# Altium PCB car.PcbDoc (continued)
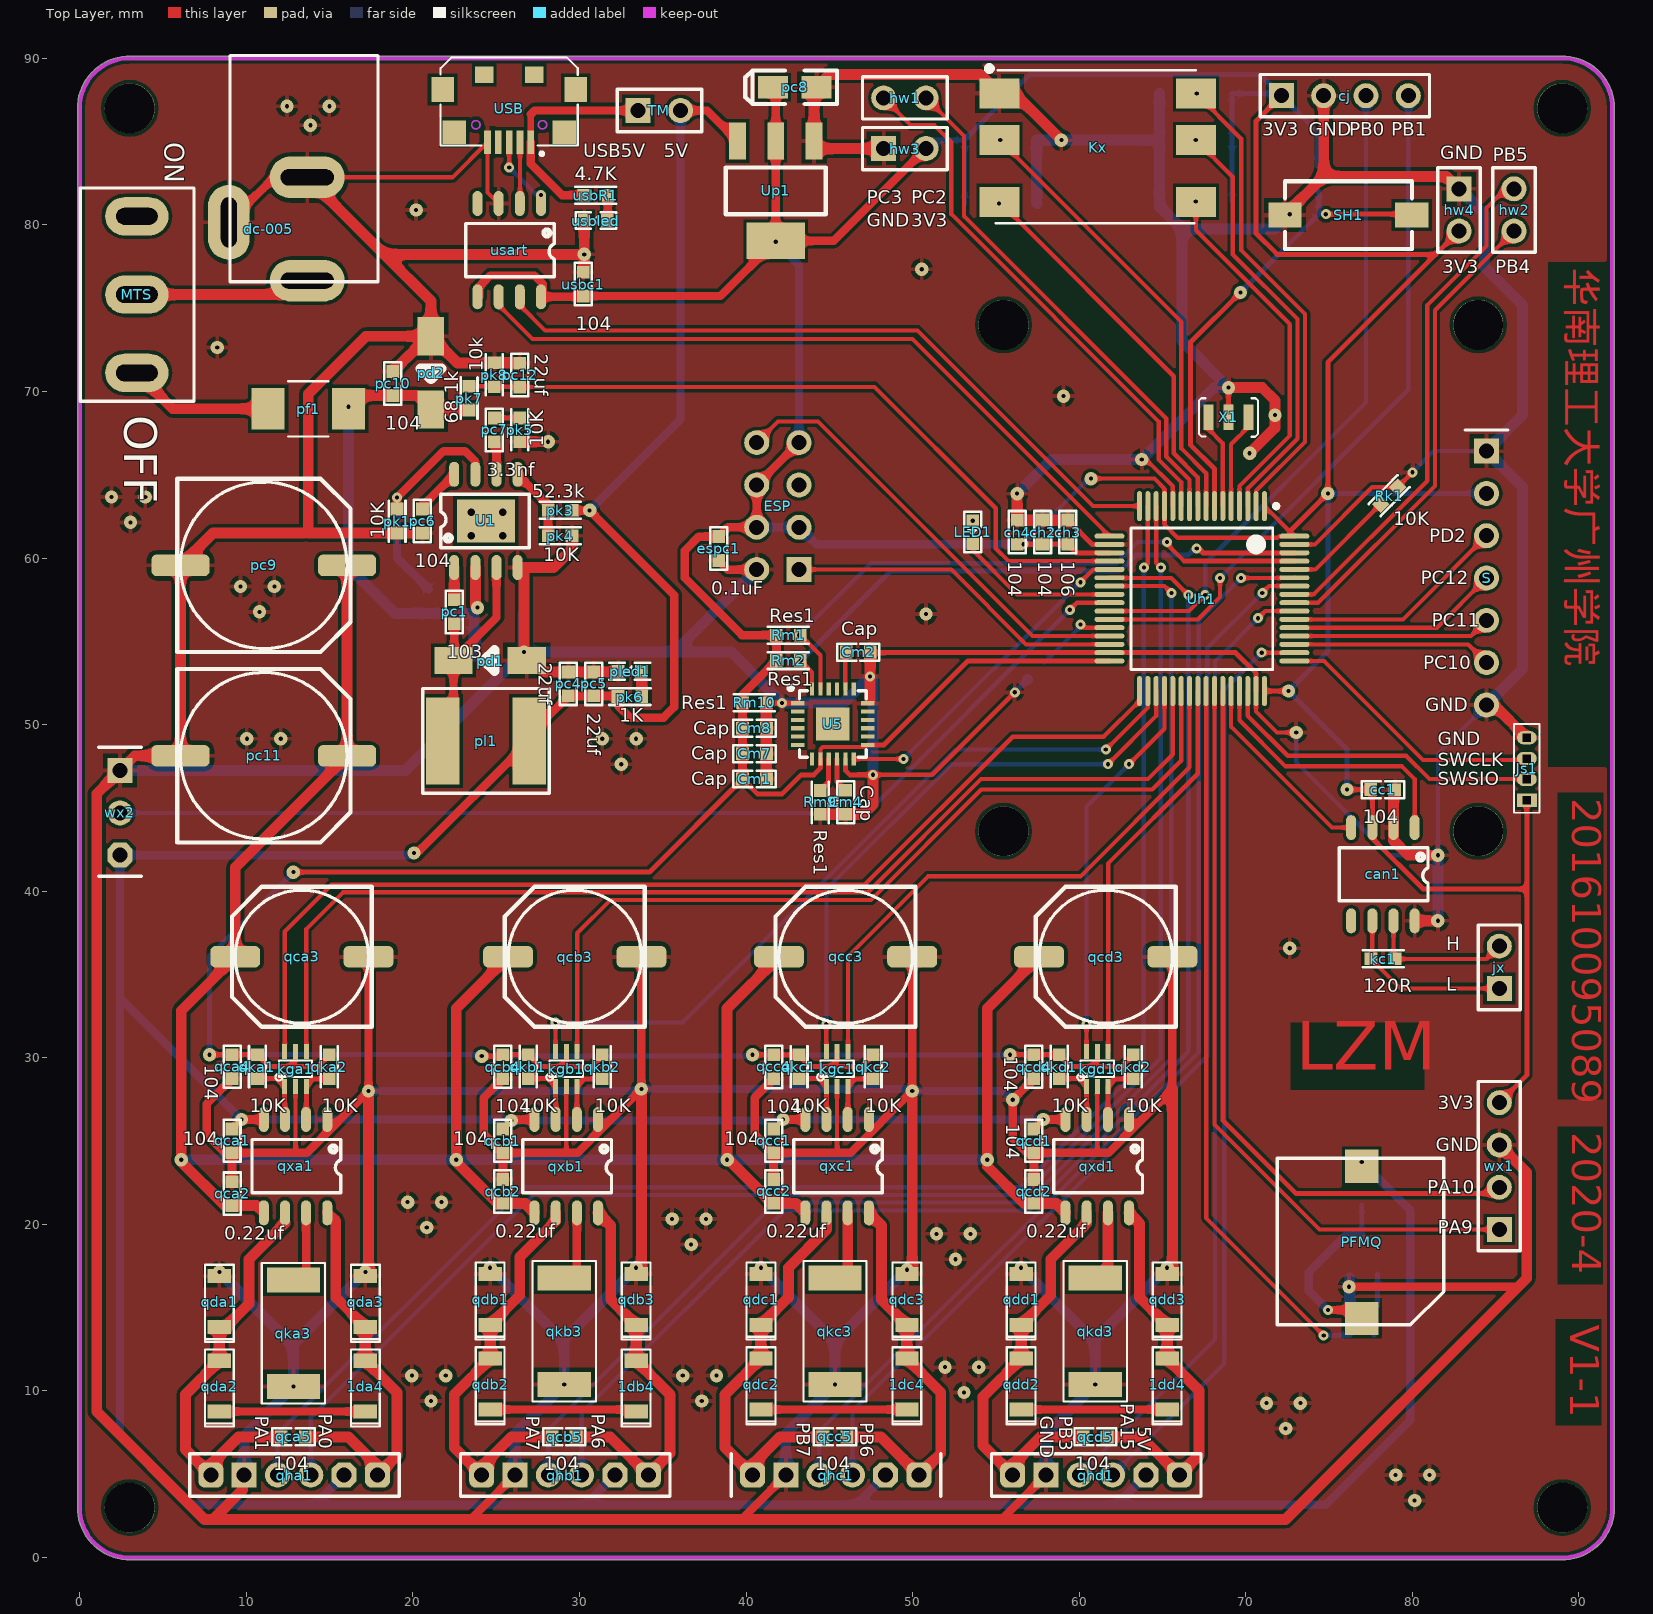
[diagram p0: Top Layer view]
## Nets (pads, with @x,y where several pads share a name; then routed paths per layer and width w, separated by ;. In a path a pad name is that pad's centre, name@x,y a point inside that pad or via, vN(x,y) a via of type N, cw(c..) or ccw(c..) an arc to the next point about the centre after c; other vN are vias at no path point)
3V3: can1.3 cc1.2 ch2.1 ch3.1 ch4.2 cj.1 Cm1.2 Cm7.2 Cm8.2 ESP.3 ESP.4 ESP.6 ESP.7 espc1.1 hw3.1 hw4.1 Js1.1 Key1.2 Key2.2 Key3.2 Key4.2 Key5.2 kga1.5 kgb1.5 kgc1.5 kgd1.5 pc8.1 qca4.2 qcb4.2 qcc4.2 qcd4.2 qka1.2 qka2.1 qkb1.2 qkb2.1 qkc1.2 qkc2.1 qkd1.2 qkd2.1 RH2.2 RL1.2 Rm1.2 Rm2.2 Rm10.2 S.2 U5.8 U5.13 Uh1.1 Uh1.13 Uh1.19 Uh1.32 Uh1.48 Uh1.64 Up1.2 Up1.4 usart.5 usart.8 usbc1.2 wx1.4 | length 430.8
  Top Layer w0.254: U5.8 44.462,48.526 44.6,48.664 47.189,48.664 U5.13 ; v1(60.706,64.77) 64.516,64.77 65.12,64.166 Uh1.13 65.12,62.007 65.913,61.214 71.89,61.214 71.972,61.296 72.943,61.296 Uh1.1
  Top Layer w0.3: v1(7.785,30.188) qca4.2 qka1.2 11.394,29.464 12.573,29.464 ; v1(12.827,41.148) 34.199,41.148 Cm1.2 40.68,45.847 42.164,45.847 43.307,46.99 44.069,46.99 44.462,47.383 U5.8 ; kga1.5 12.954,29.845 12.573,29.464 ; qka2.1 14.275,29.464 12.573,29.464 ; v1(24.13,30.099) 25.313,30.099 qcb4.2 qkb1.2 27.65,29.464 28.829,29.464 ; kgb1.5 29.21,29.845 28.829,29.464 ; qkb2.1 31.369,30.099 30.734,29.464 28.829,29.464 ; v1(40.386,30.18) qcc4.2 qkc1.2 43.898,29.464 45.085,29.464 ; pc8.1 pc8.1@41.783,88.098 ; kgc1.5 45.466,29.845 45.085,29.464 ; U5.13 48.28,48.788 53.311,53.819 Uh1.32 ; qkc2.1 46.914,29.464 45.085,29.464 ; v1(55.842,30.188) qcd4.2 qkd1.2 59.527,29.464 60.706,29.464 ; ch4.2 v2(56.656,60.833) ch3.1@59.309,60.833 ; ch3.1 59.848,60.319 Uh1.19 ; kgd1.5 61.087,29.845 60.706,29.464 ; qkd2.1 62.535,29.464 60.706,29.464 ; Uh1.48 v1(72.568,52.019) ; cj.1 70.612,86.233 70.612,79.502 71.882,78.232 81.407,78.232 ; 72.644,61.595 v1(74.93,63.881) 74.93,71.755 81.407,78.232 ; v1(76.071,46.103) cc1.2 77.597,46.014 can1.3 77.597,43.18 80.645,40.132 86.868,40.132 ; hw4.1 81.407,78.232 ; wx1.4 86.868,28.956 86.868,40.132 ; Js1.1 86.868,40.132
  Top Layer w0.5: usart.5@24.003,75.686 24.003,76.327 24.638,76.962 27.305,76.962 27.813,76.454 27.813,75.686 usbc1.2@30.18,75.686 ; usbc1.2 38.471,75.73 Up1.4 ; Cm1.2 Cm7.2 Cm8.2 Rm10.2 39.789,51.818 Rm2.2 Rm1.2 39.749,55.374 36.322,58.801 36.322,60.452 37.16,61.29 espc1.1 38.913,61.849 ESP.4 ESP.6 ESP.7 ; pc8.1@41.783,88.098 Up1.2 Up1.4 ; hw3.1 45.26,79.042 Up1.4
  Bottom Layer w0.254: v2(56.656,60.833) 60.593,64.77 v1(60.706,64.77)
  Bottom Layer w0.3: v1(12.827,41.148) 7.785,36.106 v1(7.785,30.188) 24.041,30.188 v1(24.13,30.099) 40.305,30.099 v1(40.386,30.18) 55.834,30.18 v1(55.842,30.188) ; hw3.1 51.308,85.09 Key1.2 ; Key2.2 53.124,85.052 Key1.2 ; Key3.2 Key4.2 Key5.2 cj.1@72.007,87.886 ; RH2.2 74.293,85.6 cj.1 cj.1@72.007,87.886 ; v1(76.071,46.103) 76.071,48.516 v1(72.568,52.019) 74.93,54.381 v1(74.93,63.881) S.2 ; Key1.2 57.023,89.027 70.866,89.027 cj.1@72.007,87.886
  Bottom Layer w0.5: ESP.4 ESP.3 44.196,60.833 RL1.2 v2(56.656,60.833) ; v4(41.783,78.994) 43.18,77.597 ESP.7
5V: De1.2 pc4.2 pc5.2 PFMQ.1 pk3.2 pk6.1 pl1.2 qca1.1 qcb1.1 qcc1.1 qcd1.1 qha1.5 qhb1.5 qhc1.5 qhd1.5 qxa1.4 qxb1.4 qxc1.4 qxd1.4 TM.1 Up1.3 wx2.1 | length 292.3
  Top Layer w0.5: qca1.1 v1(9.709,26.295) qxa1.4 ; v1(20.066,42.291) 20.126,42.291 20.189,42.227 pl1.2 26.984,49.376 pc4.2 pc5.2 pk6.1@32.271,51.727 ; v1(25.908,26.238) 25.965,26.295 qxb1.4 ; pk3.2 v1(30.609,62.863) 35.687,57.785 35.687,51.054 35.052,50.419 33.02,50.419 32.309,51.13 pk6.1 ; TM.1 37.657,86.868 Up1.3 ; v1(42.221,26.295) qxc1.4 ; qcd1.1 v1(57.842,26.295) qxd1.4
  Bottom Layer w0.5: 2.444,33.559 v1(9.709,26.295) 25.851,26.295 v1(25.908,26.238) 42.164,26.238 v1(42.221,26.295) v1(57.842,26.295) ; qha1.5 14.096,3.175 ; v1(20.066,42.291) 19.939,42.164 wx2.1 2.413,7.366 6.604,3.175 14.096,3.175 ; v1(30.609,62.863) 36.068,68.323 TM.1 ; qhb1.5 30.352,3.175 ; qhc1.5 46.608,3.175 ; qhd1.5 62.229,3.175 ; v1(76.962,23.749) 79.883,20.828 79.883,8.255 74.803,3.175 62.229,3.175 ; 14.096,3.175 30.352,3.175 ; 30.352,3.175 46.608,3.175 ; 46.608,3.175 62.229,3.175
BAT_IN: dc-005.1 MTS.2 | length 10.6
  Top Layer w0.65: MTS.2 12.816,75.819 dc-005.1
BOOT0: Rk1.2 Uh1.60 | length 6.8
  Top Layer w0.254: Uh1.60 74.176,59.319 Rk1.2
BOOT1: Rk2.2 Uh1.28 | length 5
  Top Layer w0.254: v2(60.071,56.007) 60.259,55.819 Uh1.28
  Bottom Layer w0.254: Rk2.2 60.071,55.882 v2(60.071,56.007)
GND: can1.2 can1.8 cc1.1 ch1.1 ch2.2 ch3.2 ch4.1 cj.2 Cm1.1 Cm2.1 Cm4.1 Cm7.1 Cm8.1 dc-005.2 dc-005.3 ESP.2 espc1.2 hw3.2 hw4.2 Js1.4 keyC1.1 keyC2.1 keyC3.1 keyC4.1 keyC5.1 kga1.2 kgb1.2 kgc1.2 kgd1.2 Kx.1 MOS1.2 pc2.1 pc3.1 pc4.1 pc5.1 pc6.2 pc8.2 pc9.2 pc10.1 pc11.2 pc12.1 pd1.1 pd2.1 pk1.2 pk4.2 pk5.1 pk8.2 pled1.2 qca1.2 qca2.2 qca3.2 qca4.1 qcb1.2 qcb2.2 qcb3.2 qcb4.1 qcc1.2 qcc2.2 qcc3.2 qcc4.1 qcd1.2 qcd2.2 qcd3.2 qcd4.1 qda1.1 qda3.1 qdb1.1 qdb3.1 qdc1.1 qdc3.1 qdd1.1 qdd3.1 qha1.2 qhb1.2 qhc1.2 qhd1.2 qka3.2 qkb3.2 qkc3.2 qkd3.2 qxa1.1 qxb1.1 qxc1.1 qxd1.1 Rk1.1 Rk2.1 Rm9.2 Rm10.1 Rmos2.2 S.1 S.7 SH1.1 U1.4 U5.1 U5.11 U5.18 Uh1.12 Uh1.18 Uh1.31 Uh1.47 Uh1.63 Up1.1 usart.3 USB.5 usbc1.1 usbled.2 wx1.3 wx2.3 X1.2 | length 906.4
  Top Layer w0.254: 12.954,24.295 kga1.2 ; dc-005.3 22.374,82.856 USB.5 24.481,81.951 usart.3 ; 29.21,24.295 kgb1.2 ; 45.466,24.295 kgc1.2 ; v2(47.625,46.99) 51.181,46.99 v2(56.134,51.943) ; 61.087,24.295 kgd1.2 ; v1(63.754,65.913) 64.015,65.913 65.62,64.308 Uh1.12 ; X1.2 v1(68.961,70.231) ; Uh1.47 70.62,50.792 71.882,49.53 v1(73.025,49.53) ; Uh1.63 74.154,60.819 77.592,64.257 Rk1.1 v2(80.01,65.151)
  Top Layer w0.3: Rm10.1@41.224,51.288 U5.1 ; U5.11 45.962,47.256 46.228,46.99 v2(47.625,46.99) ; Cm2.1@47.447,54.319 Uh1.31 69.379,54.319 70.62,53.078 Uh1.47 ; qcd2.2@57.275,22.698 qcd2.2 ; ch3.2 60.785,60.819 Uh1.18
  Top Layer w0.5: dc-005.2 11.653,82.856 dc-005.3 ; qca2.2@9.142,22.571 qca1.2 ; qca4.1 7.62,27.229 7.62,25.4 8.725,24.295 qca1.2 ; qca3.2 v1(17.335,28.003) 13.627,24.295 qca1.2 ; 23.463,2.286 qhb1.2 ; qcb2.2@25.398,22.698 qcb1.2 ; qcb4.1 24.257,27.61 24.257,25.436 qcb1.2 ; qcb3.2 v1(33.718,28.13) 29.883,24.295 qcb1.2 ; espc1.2 38.898,59.309 ESP.2 ; 39.719,2.286 qhc1.2 ; qcc2.2@41.654,22.698 qcc1.2 ; qcc4.1 40.513,27.602 40.513,25.436 qcc1.2 ; qcc3.2 v1(49.974,28.003) 46.266,24.295 qcc1.2 ; 55.34,2.286 qhd1.2 ; qcd2.2@57.275,22.698 qcd1.2 ; qcd4.1 v1(56.007,27.483) 56.007,25.146 56.858,24.295 qcd1.2 ; qcd3.2 65.595,28.13 61.76,24.295 qcd1.2 ; v1(76.2,16.256) 86.36,16.256
  Top Layer w0.65: qha1.2 9.779,4.858 9.779,4.064 8.001,2.286 ; 13.462,61.506 7.992,61.506 pc9.2 pc11.2 3.302,48.133 wx2.3 1.016,45.847 1.016,8.763 7.493,2.286 8.001,2.286 ; dc-005.3 18.277,78.232 ; v1(17.145,17.145) qda3.1 17.335,17.082 v1(17.335,28.003) ; pc10.1 pd2.1@20.92,73.32 ; pc6.2 pk1.2 13.716,61.506 13.716,69.85 17.186,73.32 pd2.1@20.92,73.32 ; pc12.1@26.403,71.717 pk8.2 22.685,71.717 pd2.1 ; pk5.1 v1(28.118,66.98) ; pk4.2 29.553,60.541 28.442,59.43 U1.4 26.67,59.049 v1(26.67,54.356) 27.864,53.162 pc4.1 pc5.1 32.269,53.162 pled1.2 ; usbc1.1 30.29,77.229 v1(30.29,78.232) ; usbled.2 v1(30.29,78.232) ; v1(33.401,17.399) qdb3.1 33.718,17.336 v1(33.718,28.13) ; Cm1.1 Cm7.1 Cm8.1 41.224,51.288 Rm10.1 ; Rm9.2 45.961,44.615 Cm4.1 47.041,44.628 47.625,45.212 v2(47.625,46.99) ; 47.447,51.438 v2(47.447,52.897) Cm2.1 ; hw3.2 44.543,84.582 Up1.1 44.083,88.112 pc8.2 44.998,89.027 54.069,89.027 Kx.1 56.128,87.89 v1(58.928,85.09) ; v1(49.657,17.272) qdc3.1 49.974,17.336 v1(49.974,28.003) ; v1(56.274,63.868) ch4.1 57.787,62.268 ch2.2 ch3.2 ; v1(65.278,17.399) qdd3.1 65.595,17.336 65.595,28.13 ; v1(68.961,70.231) 70.993,70.231 71.755,69.469 v1(71.755,68.58) 71.755,67.818 v1(70.231,66.294) ; SH1.1 74.676,82.914 ; cj.2 74.676,82.914 ; cc1.1 78.867,46.025 can1.2 78.867,43.053 79.756,42.164 v1(81.534,42.164) ; can1.8 81.528,38.221 v1(81.534,38.227) ; hw4.2 82.059,82.914 74.676,82.914 ; S.7 84.903,51.181 Js1.4 ; wx1.3 86.868,23.114 86.868,16.764 86.36,16.256 72.39,2.286 55.34,2.286 39.719,2.286 23.463,2.286 8.001,2.286 ; 18.277,78.232 v1(30.29,78.232) ; 18.277,78.232 21.082,75.427 pd2.1 ; pd2.1@20.92,73.32 pd2.1
  Bottom Layer w0.254: v2(56.134,51.943) Rk2.1 ; v1(73.025,49.53) 73.025,47.752 78.613,42.164 v1(81.534,42.164) 81.534,48.26 S.7 ; v2(80.01,65.151) 81.28,66.421 S.1
  Bottom Layer w0.5: v1(17.335,28.003) 33.591,28.003 v1(33.718,28.13) 49.847,28.13 v1(49.974,28.003) 55.487,28.003 v1(56.007,27.483)
  Bottom Layer w0.65: wx2.3 19.558,47.244 pc2.1@26.607,54.293 ; v1(8.382,17.145) 12.827,12.7 ; qha1.2 9.874,7.309 v1(12.827,10.262) 12.827,12.7 ; v1(17.145,17.145) 12.827,12.827 12.827,12.7 ; v1(24.638,17.399) 29.083,12.954 ; qhb1.2 26.13,7.436 v1(29.083,10.389) 29.083,12.954 ; pc3.1 pc2.1@26.607,54.293 ; v1(33.401,17.399) 29.083,13.081 29.083,12.954 ; ESP.2 35.687,54.356 ; v1(40.894,17.399) 45.339,12.954 ; qhc1.2 42.386,7.436 v1(45.339,10.389) 45.339,12.954 ; v2(47.625,46.99) 47.625,52.719 v2(47.447,52.897) 45.858,51.308 v2(42.164,51.308) 39.116,54.356 35.687,54.356 ; v1(49.657,17.272) 45.339,12.954 ; v1(56.274,63.868) 58.318,65.913 v1(63.754,65.913) 68.072,70.231 v1(68.961,70.231) 66.167,73.025 66.167,79.756 ; v1(56.515,17.399) 60.96,12.954 ; keyC2.1 57.442,81.318 keyC1.1 64.819,85.092 keyC4.1 ; qhd1.2 58.007,7.436 v1(60.96,10.389) 60.96,12.954 ; keyC5.1 keyC4.1 ; v1(65.278,17.399) 60.96,13.081 60.96,12.954 ; v2(72.644,80.645) 71.755,79.756 66.167,79.756 ; Rmos2.2 MOS1.2@76.238,16.787 ; v1(81.534,38.227) v1(81.534,42.164) ; hw4.2 84.328,80.645 84.328,77.47 86.614,75.184 86.614,68.58 S.1 86.614,64.262 86.614,53.34 S.7 ; pc2.1@26.607,54.293 v1(26.67,54.356) 35.687,54.356 ; keyC4.1 keyC3.1 64.821,81.102 66.167,79.756
  other v1: 80.137,3.429 78.994,4.953 81.026,4.953 72.39,7.747 71.247,9.271 73.279,9.271 21.082,9.398 37.338,9.398 53.086,9.906 19.939,10.922 21.971,10.922 36.195,10.922 38.227,10.922 51.943,11.43 53.975,11.43 52.578,17.907 36.703,18.796 51.435,19.431 53.467,19.431 20.828,19.812 35.56,20.32 37.592,20.32 19.685,21.336 21.717,21.336 72.644,36.576 32.512,47.625 10.033,49.149 12.065,49.149 31.369,49.149 33.401,49.149 50.8,56.642 10.795,56.769 9.652,58.293 11.684,58.293 3.048,62.142 1.905,63.666 3.937,63.666 59.055,69.723 8.255,72.644 50.546,77.343 20.193,80.899 13.843,85.979 12.446,87.122 14.986,87.122
KEY1: Key1.1 keyC1.2 Kx.2 Uh1.8 | length 28.6
  Top Layer w0.254: Kx.2 66.132,74.164 66.132,66.583 67.62,65.095 Uh1.8
  Bottom Layer w0.3: Key1.1 54.523,85.09 v2(55.265,85.09) keyC1.2
KEY2: Key2.1 keyC2.2 Kx.3 Uh1.9 | length 24.7
  Top Layer w0.254: Kx.3 65.678,70.918 65.678,66.289 67.12,64.847 Uh1.9
  Bottom Layer w0.3: Key2.1 54.561,81.278 keyC2.2
  other v2: 55.187,81.282
KEY3: Key3.1 keyC3.2 Kx.6 Uh1.4 | length 23.3
  Top Layer w0.254: Kx.6 67.006,79.679 72.644,74.041 72.644,67.352 69.62,64.328 Uh1.4
  Bottom Layer w0.3: keyC3.2 v2(66.998,81.409) 67.74,81.409 Key3.1
KEY4: Key4.1 keyC4.2 Kx.5 Uh1.3 | length 27.2
  Top Layer w0.254: Kx.5 69.215,82.881 69.215,78.232 73.098,74.349 73.098,67.164 70.12,64.186 Uh1.3
  Bottom Layer w0.3: keyC4.2 v2(66.998,85.092) Key4.1@67.74,85.092
KEY5: Key5.1 keyC5.2 Kx.4 Uh1.2 | length 30.2
  Top Layer w0.254: Kx.4 69.723,85.173 69.723,78.486 73.552,74.657 73.552,66.976 70.62,64.044 Uh1.2
  Bottom Layer w0.3: keyC5.2 v2(67.056,87.886) 67.74,87.886 Key5.1
M1-OUT1: qca5.2 qda1.2 qda2.1 qha1.1 qxa1.6 | length 24.4
  Top Layer w0.254: qxa1.6@12.319,20.066 qxa1.6
  Top Layer w0.65: qca5.2 9.527,7.241 7.874,5.588 qha1.1 6.35,6.477 6.35,9.78 qda2.1 8.382,13.462 10.16,15.24 10.16,17.907 qxa1.6@12.319,20.066
M1-OUT2: 1da4.1 qca5.1 qda3.2 qha1.6 qxa1.8 | length 23.6
  Top Layer w0.65: qca5.1 16.129,7.239 17.874,5.494 qha1.6 19.05,6.129 19.05,9.907 1da4.1 qda3.2 15.367,15.62 15.367,20.187 qxa1.8
M2-OUT1: qcb5.2 qdb1.2 qdb2.1 qhb1.1 qxb1.6 | length 24.4
  Top Layer w0.65: qcb5.2 25.91,7.241 24.13,5.461 qhb1.1 22.479,6.604 22.479,9.78 qdb2.1 qdb1.2 26.416,15.747 26.416,18.034 28.575,20.193 qxb1.6
M2-OUT2: 1db4.1 qcb5.1 qdb3.2 qhb1.6 qxb1.8 | length 23.4
  Top Layer w0.65: qcb5.1 31.844,7.239 qhb1.6 35.433,6.256 35.433,9.78 1db4.1 qdb3.2 31.877,15.493 31.877,19.933 qxb1.8
M3-OUT1: qcc5.2 qdc1.2 qdc2.1 qhc1.1 qxc1.6 | length 24.5
  Top Layer w0.65: qcc5.2 42.039,7.241 40.386,5.588 qhc1.1 38.735,6.604 38.735,9.78 qdc2.1 qdc1.2 42.545,15.62 42.545,17.399 44.831,19.685 qxc1.6
M3-OUT2: 1dc4.1 qcc5.1 qdc3.2 qhc1.6 qxc1.8 | length 23.4
  Top Layer w0.65: qcc5.1 48.1,7.239 qhc1.6 51.689,6.256 51.689,9.907 1dc4.1 qdc3.2 48.133,15.493 48.133,19.933 qxc1.8
M4-OUT1: qcd5.2 qdd1.2 qdd2.1 qhd1.1 qxd1.6 | length 24.6
  Top Layer w0.65: qcd5.2 57.66,7.241 56.007,5.588 qhd1.1 54.229,6.731 54.229,9.653 qdd2.1 qdd1.2 58.293,15.747 58.293,17.907 60.452,20.066 qxd1.6
M4-OUT2: 1dd4.1 qcd5.1 qdd3.2 qhd1.6 qxd1.8 | length 23.2
  Top Layer w0.65: qcd5.1 63.721,7.239 qhd1.6 67.183,6.129 67.183,10.034 1dd4.1 qdd3.2 63.627,15.62 63.627,20.06 qxd1.8
Net1da4_2: 1da4.2 qda2.2 | length 8.8
  Top Layer w0.5: qda2.2 1da4.2
Net1db4_2: 1db4.2 qdb2.2 | length 8.8
  Top Layer w0.254: 1db4.2@33.274,8.889 1db4.2
  Top Layer w0.5: qdb2.2 1db4.2@33.274,8.889
Net1dc4_2: 1dc4.2 qdc2.2 | length 8.8
  Top Layer w0.5: qdc2.2 1dc4.2
Net1dd4_2: 1dd4.2 qdd2.2 | length 8.8
  Top Layer w0.5: qdd2.2 1dd4.2
Netcan1_6: can1.6 jx.2 kc1.1 | length 10.7
  Top Layer w0.254: can1.6 77.597,36.017 kc1.1 79.299,34.163 jx.2
Netcan1_7: can1.7 jx.1 kc1.2 | length 8.9
  Top Layer w0.254: can1.7 78.867,36.028 kc1.2 84.453,35.939 jx.1
NetCm2_2: Cm2.2 U5.20 | length 2.2
  Top Layer w0.254: U5.20 45.962,54.308 Cm2.2
NetCm4_2: Cm4.2 U5.10 | length 2.1
  Top Layer w0.3: U5.10 45.462,46.577 Cm4.2
NetDe1_1: De1.1 MOS1.3 PFMQ.2 | length 10.9
  Top Layer w0.5: v2(74.93,14.859) PFMQ.2@76.454,14.859
  Top Layer w0.65: PFMQ.2@76.454,14.859 PFMQ.2
  Bottom Layer w0.254: MOS1.3 De1.1
  Bottom Layer w0.5: v2(74.93,14.859) 73.787,16.002 73.787,17.145 75.951,19.309 MOS1.3
Netkga1_1: kga1.1 qka1.1 qxa1.3 | length 3.8
  Top Layer w0.3: qka1.1 11.838,28.753 kga1.1@12.254,28.337 ; kga1.1 12.304,26.31 qxa1.3
Netkga1_3: kga1.3 qka2.2 qxa1.2 | length 3.6
  Top Layer w0.3: qxa1.2 13.604,26.31 kga1.3 14.057,28.74 qka2.2
Netkgb1_1: kgb1.1 qkb1.1 qxb1.3 | length 3.8
  Top Layer w0.3: qkb1.1 28.094,28.753 kgb1.1 28.575,28.272 qxb1.3
Netkgb1_3: kgb1.3 qkb2.2 qxb1.2 | length 3.7
  Top Layer w0.3: qxb1.2 29.845,28.272 kgb1.3 30.313,28.74 qkb2.2
Netkgc1_1: kgc1.1 qkc1.1 qxc1.3 | length 3.8
  Top Layer w0.3: qkc1.1 44.358,28.745 kgc1.1 44.816,26.31 qxc1.3
Netkgc1_3: kgc1.3 qkc2.2 qxc1.2 | length 3.7
  Top Layer w0.3: qxc1.2@46.116,26.31 kgc1.3 46.569,28.74 qkc2.2
Netkgd1_1: kgd1.1 qkd1.1 qxd1.3 | length 3.8
  Top Layer w0.3: qkd1.1 59.971,28.753 kgd1.1 qxd1.3@60.437,26.31
Netkgd1_3: kgd1.3 qkd2.2 qxd1.2 | length 3.7
  Top Layer w0.3: qxd1.2 61.722,28.272 kgd1.3 62.19,28.74 qkd2.2
NetLED1_1: LED1.1 RL1.1
  other v2: 53.61,62.243
NetMOS1_1: MOS1.1 Rmos1.2 Rmos2.1 | length 3.8
  Bottom Layer w0.3: Rmos1.2 77.686,14.846 Rmos2.1 77.912,15.098 MOS1.1
Netpc1_1: pc1.1 pd1.2 pl1.1 U1.3 | length 13.9
  Top Layer w0.5: pl1.1 22.438,49.676 pd1.2 ; pc1.1 22.479,53.889 25.019,56.429 U1.3
Netpc1_2: pc1.2 U1.1 | length 1.9
  Top Layer w0.65: pc1.2 U1.1@22.481,59.428
Netpc6_1: pc6.1 U1.8 | length 2.9
  Top Layer w0.5: pc6.1 20.574,63.125 U1.8
Netpc7_1: pc7.1 U1.6 | length 2
  Top Layer w0.5: pc7.1 25.019,66.853 U1.6
Netpc7_2: pc7.2 pk5.2 | length 1.5
  Top Layer w0.3: pc7.2 pk5.2
Netpk1_1: pk1.1 pk2.1 U1.7 | length 13.9
  Top Layer w0.5: pk1.1 v2(19.05,63.627) 21.844,66.421 23.114,66.421 23.749,65.786 U1.7
  Bottom Layer w0.5: v2(19.05,63.627) 19.05,60.02 pk2.1
Netpk3_1: pk3.1 pk4.1 U1.5 | length 4.4
  Top Layer w0.5: U1.5 28.118,63.201 pk3.1 pk4.1
Netpk6_2: pk6.2 pled1.1 | length 1.5
  Top Layer w0.65: pk6.2 pled1.1@33.744,53.175
Netqka3_1: qka3.1 qxa1.7 | length 4.3
  Top Layer w0.254: qka3.1 13.589,17.424
  Top Layer w0.5: 13.589,17.424 qxa1.7
Netqkb3_1: qkb3.1 qxb1.7 | length 3.1
  Top Layer w0.5: 29.845,17.551 qxb1.7
Netqkc3_1: qkc3.1 qxc1.7 | length 3.1
  Top Layer w0.65: 46.101,17.551 qxc1.7
Netqkd3_1: qkd3.1 qxd1.7 | length 4.2
  Top Layer w0.65: qkd3.1 61.722,17.551 qxd1.7
NetRm9_1: Rm9.1 U5.9 | length 2.1
  Top Layer w0.3: Rm9.1 44.962,46.562 U5.9
NetUh1_5: Uh1.5 X1.1 | length 5.8
  Top Layer w0.254: Uh1.5 69.12,66.834 70.161,67.875 X1.1
NetUh1_6: Uh1.6 X1.3 | length 5.7
  Top Layer w0.254: X1.3 67.761,67.748 68.62,66.889 Uh1.6
Netusart_1: usart.1 USB.3 | length 4.1
  Top Layer w0.254: v2(25.781,83.439) USB.3
  Bottom Layer w0.254: v2(25.781,83.439) 27.432,81.788 v2(27.686,81.788)
Netusart_2: usart.2 USB.2 | length 3.7
  Top Layer w0.254: usart.2 26.431,81.301 USB.2
Netusbled_1: usbled.1 usbR1.1 | length 1.5
  Top Layer w0.5: usbled.1@31.699,80.289 usbR1.1
NRST: ch1.2 RH2.1 SH1.2 Uh1.7 | length 28.1
  Top Layer w0.3: Uh1.7 68.12,65.357 66.675,66.802 66.675,72.938 v1@69.723,75.986 ; v2(74.803,80.645) 79.917,80.645 SH1.2
  Bottom Layer w0.3: v1(69.683,75.946) ch1.2 74.384,82.004 RH2.1
PA0: qha1.4 Uh1.14 | length 96.9
  Top Layer w0.254: Uh1.14 64.62,59.713 v2(64.897,59.436)
  Bottom Layer w0.254: qha1.4@13.874,5.238 qha1.4 13.874,8.413 27.232,21.771 56.675,21.771 64.897,29.993 v2(64.897,59.436)
PA1: qha1.3 Uh1.15 | length 97.3
  Top Layer w0.254: v2(63.881,59.436) 64.12,59.675 Uh1.15
  Bottom Layer w0.254: qha1.3 11.874,7.429 26.67,22.225 56.487,22.225 63.881,29.619 v2(63.881,59.436)
PA2: Uh1.16 usart.7 | length 42.7
  Top Layer w0.254: usart.7 26.416,75.184 27.94,73.66 50.292,73.66 60.833,63.119 Uh1.16
PA3: Uh1.17 usart.6 | length 42.9
  Top Layer w0.254: usart.6 25.146,75.184 27.178,73.152 49.987,73.152 Uh1.17
PA4: pc12.2 pk7.2 pk8.1 Uh1.20 | length 44.1
  Top Layer w0.254: pk7.2 pk8.1@24.854,70.32 ; pk8.1 pc12.2@26.402,70.282 ; pc12.2 47.714,70.269 54.991,62.992 54.991,60.579 55.751,59.819 Uh1.20
PA5: U5.12 Uh1.21 | length 20.1
  Top Layer w0.254: U5.12 v2(49.461,47.937) ; v2(60.071,58.547) 60.843,59.319 Uh1.21
  Bottom Layer w0.254: v2(49.461,47.937) v2(60.071,58.547)
PA6: qhb1.4 Uh1.22 | length 81.7
  Top Layer w0.254: Uh1.22 62.466,58.819 62.476,58.809 65.524,58.809 v2(66.548,57.785)
  Bottom Layer w0.254: qhb1.4 30.13,8.667 42.291,20.828 57.016,20.828 66.548,30.36 v2(66.548,57.785)
PA7: qhb1.3 Uh1.23 | length 81.2
  Top Layer w0.254: Uh1.23 65.125,58.319 v2(65.532,57.912)
  Bottom Layer w0.254: qhb1.3 28.13,7.683 41.764,21.317 56.863,21.317 65.532,29.986 v2(65.532,57.912)
PA8: Rmos1.1 Uh1.41 | length 43.2
  Top Layer w0.254: Uh1.41 67.62,20.391 v2(74.676,13.335)
  Bottom Layer w0.3: v2(74.676,13.335) Rmos1.1
PA9: Uh1.42 wx1.1 | length 45.7
  Top Layer w0.254: Uh1.42 68.12,25.987 74.422,19.685 wx1.1
PA10: Uh1.43 wx1.2 | length 44.3
  Top Layer w0.3: Uh1.43 68.62,26.249 73.025,21.844 84.836,21.844 wx1.2
PA11: can1.4 Uh1.44 | length 11.9
  Top Layer w0.254: Uh1.44 69.12,49.879 75.178,43.821 can1.4
PA12: can1.1 Uh1.45 | length 16.6
  Top Layer w0.254: Uh1.45 69.62,50.268 72.39,47.498 79.375,47.498 80.137,46.736 can1.1
PA13: Js1.2 Uh1.46 | length 19.8
  Top Layer w0.254: Uh1.46 70.12,50.53 72.517,48.133 79.629,48.133 81.026,46.736 86.848,46.736 Js1.2
PA14: Js1.3 Uh1.49 | length 16.4
  Top Layer w0.254: Uh1.49 74.705,53.819 80.645,47.879 86.781,47.879 Js1.3
PA15: qhd1.4 Uh1.50 | length 55
  Top Layer w0.254: v2(70.956,54.319) Uh1.50
  Bottom Layer w0.254: qhd1.4 68.707,11.653 68.707,52.07 v2(70.956,54.319)
PB0: cj.3 Uh1.26 | length 40.1
  Top Layer w0.254: Uh1.26 66.598,56.819 v2(67.564,57.785)
  Bottom Layer w0.254: v2(67.564,57.785) 67.564,59.69 77.216,69.342 cj.3
PB1: cj.4 Uh1.27 | length 42
  Top Layer w0.254: Uh1.27 67.114,56.319 68.453,57.658 v2(68.453,58.801)
  Bottom Layer w0.254: v2(68.453,58.801) 79.756,70.104 cj.4
PB3: qhd1.3 Uh1.55 | length 58.2
  Top Layer w0.254: v2(70.739,56.388) 71.17,56.819 Uh1.55
  Bottom Layer w0.254: qhd1.3 68.145,13.091 68.145,53.794 v2(70.739,56.388)
PB4: hw2.1 Uh1.56 | length 28.6
  Top Layer w0.254: Uh1.56 74.337,57.319 81.353,64.335 81.353,74.876 hw2.1
PB5: hw2.2 Uh1.57 | length 30.8
  Top Layer w0.254: Uh1.57 74.075,57.819 80.899,64.643 80.899,75.184 84.455,78.74 84.455,81.026 85.598,82.169 hw2.2
PB6: qhc1.4 Uh1.58 | length 65.2
  Top Layer w0.254: v2(70.993,57.912) 71.4,58.319 Uh1.58
  Bottom Layer w0.254: qhc1.4 46.386,8.794 67.691,30.099 67.691,54.61 v2(70.993,57.912)
PB7: qhc1.3 Uh1.59 | length 67.5
  Top Layer w0.254: v2(69.723,58.801) 72.902,58.801 Uh1.59
  Bottom Layer w0.254: qhc1.3 44.386,7.556 67.183,30.353 67.183,56.261 v2(69.723,58.801)
PB8: Rm1.1 U5.23 Uh1.61 | length 36.3
  Top Layer w0.254: Rm1.1 44.462,54.166 U5.23 ; v2(65.278,60.96) 65.278,60.833 66.292,59.819
  Top Layer w0.3: 66.292,59.819 Uh1.61
  Bottom Layer w0.254: v2(43.18,55.372) 47.498,59.69 62.23,59.69 63.5,60.96 v2(65.278,60.96)
PB9: Rm2.1 U5.24 Uh1.62 | length 34.5
  Top Layer w0.254: Rm2.1 43.962,53.142 U5.24
  Top Layer w0.3: v2(67.056,60.579) 67.183,60.579 67.443,60.319 Uh1.62
  Bottom Layer w0.3: v2(43.307,53.848) 48.672,59.213 62.428,59.213 63.413,60.198 66.548,60.198 66.929,60.579 v2(67.056,60.579)
PB10: ESP.8 Uh1.29 | length 27
  Top Layer w0.254: ESP.8 41.91,68.199 44.323,68.199 57.203,55.319 Uh1.29
PB11: ESP.1 Uh1.30 | length 20.5
  Top Layer w0.254: ESP.1 52.324,59.309 56.814,54.819 Uh1.30
PB12: kga1.6 Uh1.33 | length 64.9
  Top Layer w0.254: kga1.6@12.319,30.402 kga1.6 12.304,37.577 15.113,40.386 47.117,40.386 56.007,49.276 61.468,49.276 63.62,51.428 Uh1.33
PB13: kgb1.6 Uh1.34 | length 46.1
  Top Layer w0.254: kgb1.6 v2(28.56,32.116) ; v2(61.595,48.514) 61.602,48.514 64.12,51.032 Uh1.34
  Bottom Layer w0.254: v2(28.56,32.116) 36.18,32.116 52.578,48.514 v2(61.595,48.514)
PB14: kgc1.6 Uh1.35 | length 35.3
  Top Layer w0.254: kgc1.6 v2(44.816,32.019) ; v2(61.722,47.625) 64.62,50.523 Uh1.35
  Bottom Layer w0.254: v2@44.831,32.034 44.831,40.125 52.331,47.625 v2(61.722,47.625)
PB15: kgd1.6 Uh1.36 | length 23.6
  Top Layer w0.254: kgd1.6 v2(60.437,32.019) ; v2(62.992,47.625) 65.12,49.753 Uh1.36
  Bottom Layer w0.254: v2(60.437,32.019) 60.437,45.07 v2(62.992,47.625)
PC2: hw1.1 Uh1.10 | length 31.1
  Top Layer w0.254: hw1.1 53.086,85.344 53.086,80.525 65.224,68.387 65.224,66.101 66.62,64.705 Uh1.10
PC3: hw1.2 Uh1.11 | length 32.7
  Top Layer w0.254: hw1.2 49.911,85.979 51.308,85.979 52.324,84.963 52.324,80.645 64.77,68.199 64.77,65.913 66.12,64.563 Uh1.11
PC4: LED1.2 Uh1.24 | length 9.7
  Top Layer w0.254: LED1.2 53.608,60.477 56.267,57.819 Uh1.24
PC5: Uh1.25 wx2.2 | length 64.6
  Top Layer w0.254: v2(59.436,56.896) 59.859,57.319 Uh1.25
  Bottom Layer w0.254: wx2.2 47.244,44.704 v2(59.436,56.896)
PC6: kga1.4 Uh1.37 | length 67.5
  Top Layer w0.254: kga1.4 13.604,37.734 15.802,39.932 47.305,39.932 54.109,46.736 64.135,46.736 65.62,48.221 Uh1.37
PC7: kgb1.4 Uh1.38 | length 51.8
  Top Layer w0.254: kgb1.4 29.86,37.48 31.858,39.478 47.493,39.478 54.116,46.101 64.389,46.101 66.12,47.832 Uh1.38
PC8: kgc1.4 Uh1.39 | length 35.5
  Top Layer w0.254: kgc1.4 46.116,36.083 50.927,40.894 60.071,40.894 66.62,47.443 Uh1.39
PC9: kgd1.4 Uh1.40 | length 23.9
  Top Layer w0.254: kgd1.4 61.737,41.671 67.12,47.054 Uh1.40
PC10: S.6 Uh1.51 | length 12
  Top Layer w0.254: Uh1.51 83.357,54.819 S.6
PC11: S.5 Uh1.52 | length 11.9
  Top Layer w0.254: Uh1.52 83.513,55.319 S.5
PC12: S.4 Uh1.53 | length 12.8
  Top Layer w0.254: Uh1.53 81.473,55.819 S.4
PD2: S.3 Uh1.54 | length 13.6
  Top Layer w0.254: Uh1.54 79.433,56.319 S.3
USB5V: TM.2 USB.1 usbR1.2 | length 13.5
  Top Layer w0.4: USB.1 27.081,86.644
  Top Layer w0.5: USB.1 27.081,83.663 28.954,81.79 usbR1.2 ; 27.081,86.644 27.305,86.868 TM.2
VCC: pc2.2 pc3.2 pc9.1 pc10.2 pc11.1 pd2.2 pf1.2 pk2.2 pk7.1 qca2.1 qca3.1 qcb2.1 qcb3.1 qcc2.1 qcc3.1 qcd2.1 qcd3.1 qxa1.5 qxb1.5 qxc1.5 qxd1.5 U1.2 | length 184.5
  Top Layer w0.65: qxa1.5 10.611,21.133 qca2.1 8.712,21.133 6.096,23.749 v1(6.096,23.876) 6.096,32.829 qca3.1 9.335,41.419 pc11.1 v1(16.049,59.563) ; pf1.2 16.929,69.761 pc10.2 20.241,69.761 pd2.2 23.333,68.92 pk7.1 ; U1.2 23.749,57.15 v1(23.876,57.023) ; qcb3.1 22.606,32.956 v1(22.606,23.876) 22.606,23.749 25.095,21.26 qcb2.1 26.74,21.26 qxb1.5 ; v1@38.862,23.986 38.862,32.956 qcc3.1 ; v1@38.917,23.931 41.588,21.26 42.996,21.26 qxc1.5 ; qcd3.1 54.483,32.956 v1(54.483,23.876) 54.483,23.495 56.718,21.26 qcd2.1 58.617,21.26 qxd1.5
  Bottom Layer w0.65: v1(6.096,23.876) v1(22.606,23.876) v1(38.862,23.876) v1(54.483,23.876) ; v1(16.129,69.088) 16.129,59.643 v1(16.049,59.563) 18.932,56.68 pk2.2 23.533,56.68 23.686,56.528 pc2.2
VCC_IN: MTS.1 pf1.1 | length 8.8
  Top Layer w0.65: MTS.1 5.587,68.961 pf1.1
pads on no net: can1.5 ESP.5 MTS.3 U1.9 U5.0 U5.2 U5.3 U5.4 U5.5 U5.6 U5.7 U5.14 U5.15 U5.16 U5.17 U5.19 U5.21 U5.22 usart.4 USB.0 USB.4
copper on no net:
  other v3: 23.495,61.341 25.4,61.341 23.495,62.738 25.4,62.738

## Polygon pours and split planes (outlines as drawn)
GND on Top Layer "Bottom Layer-No Net" (solid, remove dead copper, pour order 4): -3.556,93.345 -3.048,92.837 95.123,92.837 95.123,0.762 90.17,-4.191 -2.667,-4.191 -6.604,-0.254
GND on Bottom Layer "Bottom Layer-No Net" (solid, remove dead copper, pour order 6): -2.159,93.345 92.964,93.345 93.98,94.361 93.98,-5.334 91.567,-2.921 -8.636,-2.921

## Keep-outs
Keep-Out Layer:
  lines w0.254: -0.006,3.048 ccw(c3,3) 3.048,-0.006 ; -0.006,86.952 cw(c3,87) 3.048,90.006 ; 0,3.048 0,86.952 ; 3.048,0 89,0 ; 3.048,90 89,90 ; 88.952,-0.006 ccw(c89,3) 92.006,3.048 ; 88.952,90.006 cw(c89,87) 92.006,86.952 ; 92,3.048 92,86.952

## Other copper
Top Layer:
  text "华南理工大学广州学院" at 88.773,77.47 h3 r270
  text "201610095089" at 89.027,45.593 h3 r270
  text "LZM" at 73.025,28.321 h5
  text "2020-4" at 89.027,25.527 h3 r270
  text "V1-1" at 88.9,13.97 h3 r270

## Silkscreen, mask and mechanical layers (free items; w line width, h text height)
Top Overlay:
  text "3V3" at 70.993,85.344 h0.8
  text "GND" at 73.787,85.344 h0.8
  text "PB0" at 76.2,85.344 h0.8
  text "PB1" at 78.74,85.344 h0.8
  text "ON" at 4.699,84.963 h2 r270
  text "USB5V" at 30.226,84.074 h0.8
  text "5V" at 35.052,84.074 h0.8
  text "GND" at 81.661,83.947 h0.8
  text "PB5" at 84.836,83.82 h0.8
  text "PC3" at 47.244,81.28 h0.8
  text "PC2" at 49.911,81.28 h0.8
  text "GND" at 47.244,79.883 h0.8
  text "3V3" at 49.911,79.883 h0.8
  text "3V3" at 81.788,77.089 h0.8
  text "PB4" at 84.963,77.089 h0.8
  text "OFF" at 2.667,68.58 h2 r270
  text "PD2" at 81.026,60.96 h0.8
  text "PC12" at 80.518,58.42 h0.8
  text "PC11" at 81.153,55.88 h0.8
  text "PC10" at 80.645,53.34 h0.8
  text "GND" at 80.772,50.8 h0.8
  text "GND" at 81.534,48.768 h0.8
  text "SWCLK" at 81.534,47.498 h0.8
  text "SWSIO" at 81.534,46.355 h0.8
  text "H" at 82.042,36.449 h0.8
  text "L" at 82.042,34.036 h0.8
  text "3V3" at 81.534,26.924 h0.8
  text "GND" at 81.407,24.384 h0.8
  text "PA10" at 80.899,21.844 h0.8
  text "PA9" at 81.534,19.431 h0.8
  text "PA15" at 62.484,9.271 h0.8 r270
  text "PA0" at 14.351,8.636 h0.8 r270
  text "PA6" at 30.734,8.636 h0.8 r270
  text "PA1" at 10.541,8.509 h0.8 r270
  text "PA7" at 26.797,8.509 h0.8 r270
  text "GND" at 57.658,8.509 h0.8 r270
  text "PB3" at 58.801,8.509 h0.8 r270
  text "PB7" at 43.053,8.128 h0.8 r270
  text "PB6" at 46.863,8.128 h0.8 r270
  text "5V" at 63.5,7.874 h0.8 r270